# KiCad board EOutside.kicad_pcb (continued)
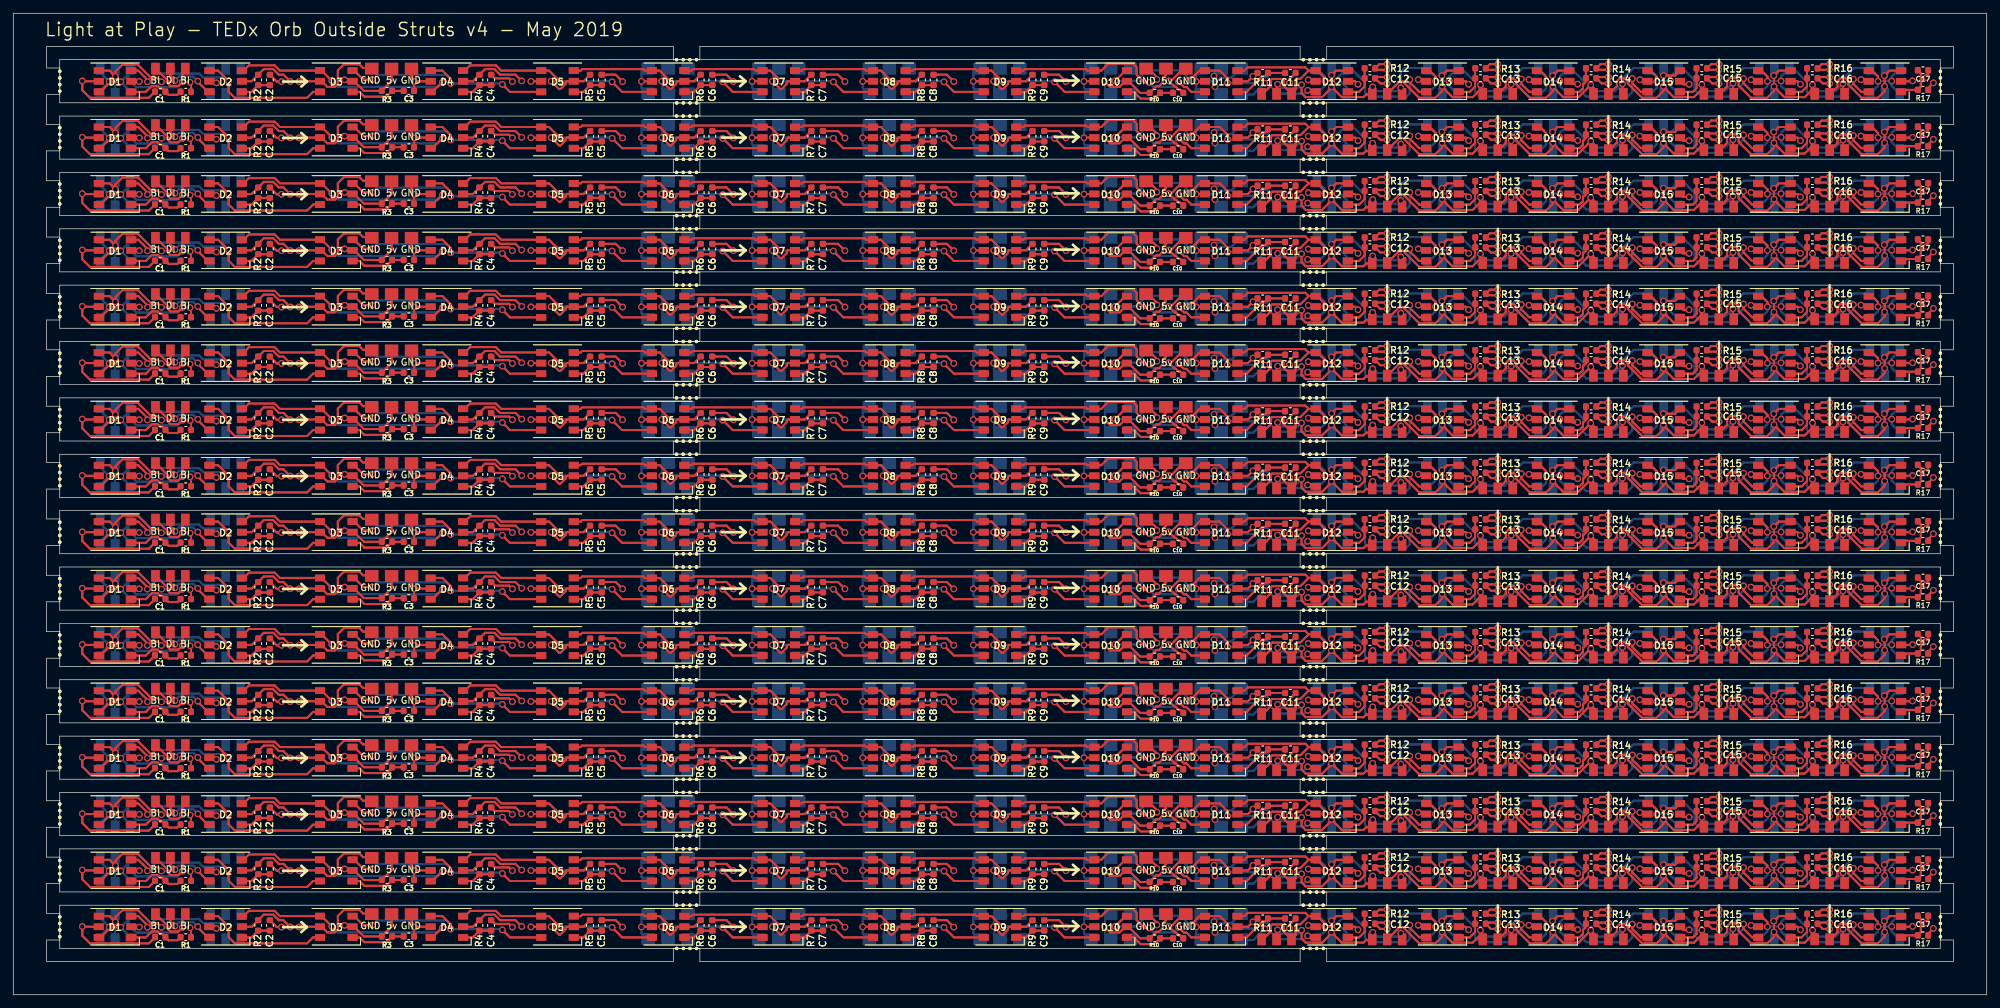
[diagram p0: board, top side]
## Routing (per net, layer and track width the routed paths; a pad name or vN(x,y) marks a point on that pad's centre or on a via; arc(x,y) is an arc through that point) (continued)
Net-(D14-Pad3): length 2343.7
  Top w0.3: 232.67,139.35 D14.3 232.67,139.35 ; 232.67,139.35 232.41,139.09 ; 232.67,139.35 232.41,139.09 ; 232.41,139.09 v1(231.91,138.59) ; 232.41,139.09 v1(231.91,138.59) ; v1(231.91,138.59) 231.91,137.01 ; v1(231.91,138.59) 231.91,137.01 ; 232.67,130.85 D14#2.3 232.67,130.85 ; 232.67,130.85 232.41,130.59 ; 232.67,130.85 232.41,130.59 ; 232.41,130.59 v1(231.91,130.09) ; 232.41,130.59 v1(231.91,130.09) ; v1(231.91,130.09) 231.91,128.51 ; v1(231.91,130.09) 231.91,128.51 ; 246.68,130.85 D15#2.4 246.68,130.85 ; 246.68,130.85 247.62,129.91 ; 246.68,130.85 247.62,129.91 ; 247.62,129.91 v1(247.62,129.2) 247.62,129.91 ; 231.91,128.51 v1(231.96,128.47) ; 231.91,128.51 v1(231.96,128.47) ; v1(231.96,128.47) 231.96,127.76 ; v1(231.96,128.47) 231.96,127.76 ; 233.51,126.85 235.82,126.85 ; 233.51,126.85 231.93,128.42 233.51,126.85 ; 233.51,126.85 235.82,126.85 ; 235.82,126.85 237.18,128.2 ; 235.82,126.85 237.18,128.2 ; 237.18,128.2 v1(237.68,128.7) ; 237.18,128.2 v1(237.68,128.7) ; v1(237.68,128.7) 238.08,128.29 ; v1(237.68,128.7) 238.08,128.29 ; 224.87,128.46 223.67,127.25 224.87,128.46 ; 224.87,128.46 224.87,129.24 ; 224.87,128.46 224.87,129.24 ; 231.96,127.76 230.95,126.75 ; 231.96,127.76 230.95,126.75 ; 225.29,129.65 226.06,129.65 ; 225.29,129.65 224.87,129.24 ; 225.29,129.65 224.87,129.24 ; 225.29,129.65 226.06,129.65 ; 226.06,129.65 226.48,129.24 ; 226.06,129.65 226.48,129.24 ; 226.48,129.24 226.48,128.76 ; 226.48,129.24 226.48,128.76 ; 228.48,126.75 230.95,126.75 ; 228.48,126.75 226.48,128.76 ; 228.48,126.75 226.48,128.76 ; 228.48,126.75 230.95,126.75 ; 242.45,128.17 v1(242.45,128.88) 242.45,128.17 ; 242.45,128.17 242.45,127.38 ; 242.45,128.17 242.45,127.38 ; 242.45,127.38 242.58,127.25 242.45,127.38 ; 238.08,128.29 J11#2.2 238.08,128.29 ; 261.99,127.65 260.69,128.95 ; 261.99,127.65 D16#2.6 261.99,127.65 ; 261.99,127.65 260.69,128.95 ; 260.69,128.95 v1(260.69,129.66) 260.69,128.95 ; 232.67,122.35 D14#3.3 232.67,122.35 ; 232.67,122.35 232.41,122.09 ; 232.67,122.35 232.41,122.09 ; 232.41,122.09 v1(231.91,121.59) ; 232.41,122.09 v1(231.91,121.59) ; v1(231.91,121.59) 231.91,120.01 ; v1(231.91,121.59) 231.91,120.01 ; 246.68,122.35 D15#3.4 246.68,122.35 ; 246.68,122.35 247.62,121.41 ; 246.68,122.35 247.62,121.41 ; 247.62,121.41 v1(247.62,120.7) 247.62,121.41 ; 231.91,120.01 v1(231.96,119.97) ; 231.91,120.01 v1(231.96,119.97) ; v1(231.96,119.97) 231.96,119.26 ; v1(231.96,119.97) 231.96,119.26 ; 233.51,118.35 235.82,118.35 ; 233.51,118.35 231.93,119.92 233.51,118.35 ; 233.51,118.35 235.82,118.35 ; 235.82,118.35 237.18,119.7 ; 235.82,118.35 237.18,119.7 ; 237.18,119.7 v1(237.68,120.2) ; 237.18,119.7 v1(237.68,120.2) ; v1(237.68,120.2) 238.08,119.79 ; v1(237.68,120.2) 238.08,119.79 ; 224.87,119.96 223.67,118.75 224.87,119.96 ; 224.87,119.96 224.87,120.74 ; 224.87,119.96 224.87,120.74 ; 231.96,119.26 230.95,118.25 ; 231.96,119.26 230.95,118.25 ; 225.29,121.15 226.06,121.15 ; 225.29,121.15 224.87,120.74 ; 225.29,121.15 226.06,121.15 ; 225.29,121.15 224.87,120.74 ; 226.06,121.15 226.48,120.74 ; 226.06,121.15 226.48,120.74 ; 226.48,120.74 226.48,120.26 ; 226.48,120.74 226.48,120.26 ; 228.48,118.25 230.95,118.25 ; 228.48,118.25 226.48,120.26 ; 228.48,118.25 230.95,118.25 ; 228.48,118.25 226.48,120.26 ; 242.45,119.67 v1(242.45,120.38) 242.45,119.67 ; 242.45,119.67 242.45,118.88 ; 242.45,119.67 242.45,118.88 ; 242.45,118.88 242.58,118.75 242.45,118.88 ; 238.08,119.79 J11#3.2 238.08,119.79 ; 261.99,119.15 260.69,120.45 ; 261.99,119.15 D16#3.6 261.99,119.15 ; 261.99,119.15 260.69,120.45 ; 260.69,120.45 v1(260.69,121.16) 260.69,120.45 ; 261.99,110.65 260.69,111.95 ; 261.99,110.65 D16#4.6 261.99,110.65 ; 261.99,110.65 260.69,111.95 ; 260.69,111.95 v1(260.69,112.66) 260.69,111.95 ; 238.08,111.29 J11#4.2 238.08,111.29 ; 238.08,111.29 v1(237.68,111.7) ; 238.08,111.29 v1(237.68,111.7) ; v1(231.91,113.09) 231.91,111.51 ; v1(231.91,113.09) 232.41,113.59 ; v1(231.91,113.09) 232.41,113.59 ; v1(231.91,113.09) 231.91,111.51 ; 231.91,111.51 v1(231.96,111.47) ; 231.91,111.51 v1(231.96,111.47) ; 235.82,109.85 237.18,111.2 ; 235.82,109.85 233.51,109.85 ; 235.82,109.85 237.18,111.2 ; 235.82,109.85 233.51,109.85 ; 237.18,111.2 v1(237.68,111.7) ; 237.18,111.2 v1(237.68,111.7) ; 246.68,113.85 247.62,112.91 ; 246.68,113.85 D15#4.4 246.68,113.85 ; 246.68,113.85 247.62,112.91 ; 247.62,112.91 v1(247.62,112.2) 247.62,112.91 ; v1(231.96,111.47) 231.96,110.76 ; v1(231.96,111.47) 231.96,110.76 ; 233.51,109.85 231.93,111.42 233.51,109.85 ; 242.45,110.38 242.58,110.25 242.45,110.38 ; 242.45,110.38 242.45,111.17 ; 242.45,110.38 242.45,111.17 ; 242.45,111.17 v1(242.45,111.88) 242.45,111.17 ; 226.48,112.24 226.48,111.76 ; 226.48,112.24 226.06,112.65 ; 226.48,112.24 226.48,111.76 ; 226.48,112.24 226.06,112.65 ; 226.48,111.76 228.48,109.75 ; 226.48,111.76 228.48,109.75 ; 228.48,109.75 230.95,109.75 ; 228.48,109.75 230.95,109.75 ; 224.87,112.24 225.29,112.65 ; 224.87,112.24 224.87,111.46 ; 224.87,112.24 225.29,112.65 ; 224.87,112.24 224.87,111.46 ; 225.29,112.65 226.06,112.65 ; 225.29,112.65 226.06,112.65 ; 230.95,109.75 231.96,110.76 ; 230.95,109.75 231.96,110.76 ; 224.87,111.46 223.67,110.25 224.87,111.46 ; 232.41,113.59 232.67,113.85 ; 232.41,113.59 232.67,113.85 ; 232.67,113.85 D14#4.3 232.67,113.85 ; 246.68,139.35 D15.4 246.68,139.35 ; 246.68,139.35 247.62,138.41 ; 246.68,139.35 247.62,138.41 ; 247.62,138.41 v1(247.62,137.7) 247.62,138.41 ; 231.91,137.01 v1(231.96,136.97) ; 231.91,137.01 v1(231.96,136.97) ; v1(231.96,136.97) 231.96,136.26 ; v1(231.96,136.97) 231.96,136.26 ; 233.51,135.35 235.82,135.35 ; 233.51,135.35 231.93,136.92 233.51,135.35 ; 233.51,135.35 235.82,135.35 ; 235.82,135.35 237.18,136.7 ; 235.82,135.35 237.18,136.7 ; 237.18,136.7 v1(237.68,137.2) ; 237.18,136.7 v1(237.68,137.2) ; v1(237.68,137.2) 238.08,136.79 ; v1(237.68,137.2) 238.08,136.79 ; 224.87,136.96 223.67,135.75 224.87,136.96 ; 224.87,136.96 224.87,137.74 ; 224.87,136.96 224.87,137.74 ; 231.96,136.26 230.95,135.25 ; 231.96,136.26 230.95,135.25 ; 225.29,138.15 226.06,138.15 ; 225.29,138.15 224.87,137.74 ; 225.29,138.15 224.87,137.74 ; 225.29,138.15 226.06,138.15 ; 226.06,138.15 226.48,137.74 ; 226.06,138.15 226.48,137.74 ; 226.48,137.74 226.48,137.26 ; 226.48,137.74 226.48,137.26 ; 228.48,135.25 230.95,135.25 ; 228.48,135.25 226.48,137.26 ; 228.48,135.25 226.48,137.26 ; 228.48,135.25 230.95,135.25 ; 242.45,136.67 v1(242.45,137.38) 242.45,136.67 ; 242.45,136.67 242.45,135.88 ; 242.45,136.67 242.45,135.88 ; 242.45,135.88 242.58,135.75 242.45,135.88 ; 238.08,136.79 J11.2 238.08,136.79 ; 261.99,136.15 260.69,137.45 ; 261.99,136.15 D16.6 261.99,136.15 ; 261.99,136.15 260.69,137.45 ; 260.69,137.45 v1(260.69,138.16) 260.69,137.45 ; 232.67,105.35 D14#11.3 232.67,105.35 ; 232.67,105.35 232.41,105.09 ; 232.67,105.35 232.41,105.09 ; 232.41,105.09 v1(231.91,104.59) ; 232.41,105.09 v1(231.91,104.59) ; v1(231.91,104.59) 231.91,103.01 ; v1(231.91,104.59) 231.91,103.01 ; 246.68,105.35 D15#12.4 246.68,105.35 ; 246.68,105.35 247.62,104.41 ; 246.68,105.35 247.62,104.41 ; 247.62,104.41 v1(247.62,103.7) 247.62,104.41 ; 231.91,103.01 v1(231.96,102.97) ; 231.91,103.01 v1(231.96,102.97) ; v1(231.96,102.97) 231.96,102.26 ; v1(231.96,102.97) 231.96,102.26 ; 233.51,101.35 235.82,101.35 ; 233.51,101.35 231.93,102.92 233.51,101.35 ; 233.51,101.35 235.82,101.35 ; 235.82,101.35 237.18,102.7 ; 235.82,101.35 237.18,102.7 ; 237.18,102.7 v1(237.68,103.2) ; 237.18,102.7 v1(237.68,103.2) ; v1(237.68,103.2) 238.08,102.79 ; v1(237.68,103.2) 238.08,102.79 ; 224.87,102.96 223.67,101.75 224.87,102.96 ; 224.87,102.96 224.87,103.74 ; 224.87,102.96 224.87,103.74 ; 231.96,102.26 230.95,101.25 ; 231.96,102.26 230.95,101.25 ; 225.29,104.15 226.06,104.15 ; 225.29,104.15 224.87,103.74 ; 225.29,104.15 226.06,104.15 ; 225.29,104.15 224.87,103.74 ; 226.06,104.15 226.48,103.74 ; 226.06,104.15 226.48,103.74 ; 226.48,103.74 226.48,103.26 ; 226.48,103.74 226.48,103.26 ; 228.48,101.25 230.95,101.25 ; 228.48,101.25 226.48,103.26 ; 228.48,101.25 230.95,101.25 ; 228.48,101.25 226.48,103.26 ; 242.45,102.67 v1(242.45,103.38) 242.45,102.67 ; 242.45,102.67 242.45,101.88 ; 242.45,102.67 242.45,101.88 ; 242.45,101.88 242.58,101.75 242.45,101.88 ; 238.08,102.79 J11#11.2 238.08,102.79 ; 261.99,102.15 260.69,103.45 ; 261.99,102.15 D16#11.6 261.99,102.15 ; 261.99,102.15 260.69,103.45 ; 260.69,103.45 v1(260.69,104.16) 260.69,103.45 ; 261.99,93.65 260.69,94.95 ; 261.99,93.65 D16#13.6 261.99,93.65 ; 261.99,93.65 260.69,94.95 ; 260.69,94.95 v1(260.69,95.66) 260.69,94.95 ; 238.08,94.29 J11#13.2 238.08,94.29 ; 238.08,94.29 v1(237.68,94.7) ; 238.08,94.29 v1(237.68,94.7) ; v1(231.91,96.09) 231.91,94.51 ; v1(231.91,96.09) 232.41,96.59 ; v1(231.91,96.09) 232.41,96.59 ; v1(231.91,96.09) 231.91,94.51 ; 231.91,94.51 v1(231.96,94.47) ; 231.91,94.51 v1(231.96,94.47) ; 235.82,92.85 237.18,94.2 ; 235.82,92.85 233.51,92.85 ; 235.82,92.85 233.51,92.85 ; 235.82,92.85 237.18,94.2 ; 237.18,94.2 v1(237.68,94.7) ; 237.18,94.2 v1(237.68,94.7) ; 246.68,96.85 247.62,95.91 ; 246.68,96.85 D15#14.4 246.68,96.85 ; 246.68,96.85 247.62,95.91 ; 247.62,95.91 v1(247.62,95.2) 247.62,95.91 ; v1(231.96,94.47) 231.96,93.76 ; v1(231.96,94.47) 231.96,93.76 ; 233.51,92.85 231.93,94.42 233.51,92.85 ; 242.45,93.38 242.58,93.25 242.45,93.38 ; 242.45,93.38 242.45,94.17 ; 242.45,93.38 242.45,94.17 ; 242.45,94.17 v1(242.45,94.88) 242.45,94.17 ; 226.48,95.24 226.48,94.76 ; 226.48,95.24 226.06,95.65 ; 226.48,95.24 226.48,94.76 ; 226.48,95.24 226.06,95.65 ; 226.48,94.76 228.48,92.75 ; 226.48,94.76 228.48,92.75 ; 228.48,92.75 230.95,92.75 ; 228.48,92.75 230.95,92.75 ; 224.87,95.24 225.29,95.65 ; 224.87,95.24 224.87,94.46 ; 224.87,95.24 225.29,95.65 ; 224.87,95.24 224.87,94.46 ; 225.29,95.65 226.06,95.65 ; 225.29,95.65 226.06,95.65 ; 230.95,92.75 231.96,93.76 ; 230.95,92.75 231.96,93.76 ; 224.87,94.46 223.67,93.25 224.87,94.46 ; 232.41,96.59 232.67,96.85 ; 232.41,96.59 232.67,96.85 ; 232.67,96.85 D14#14.3 232.67,96.85 ; 246.68,79.85 D15#11.4 246.68,79.85 ; 246.68,79.85 247.62,78.91 ; 246.68,79.85 247.62,78.91 ; 232.67,79.85 232.41,79.59 ; 232.67,79.85 D14#10.3 232.67,79.85 ; 232.67,79.85 232.41,79.59 ; 232.41,79.59 v1(231.91,79.09) ; 232.41,79.59 v1(231.91,79.09) ; v1(231.91,79.09) 231.91,77.51 ; v1(231.91,79.09) 231.91,77.51 ; 238.08,77.29 J11#10.2 238.08,77.29 ; 238.08,77.29 v1(237.68,77.7) ; 238.08,77.29 v1(237.68,77.7) ; 231.91,77.51 v1(231.96,77.47) ; 231.91,77.51 v1(231.96,77.47) ; 235.82,75.85 237.18,77.2 ; 235.82,75.85 233.51,75.85 ; 235.82,75.85 237.18,77.2 ; 235.82,75.85 233.51,75.85 ; 237.18,77.2 v1(237.68,77.7) ; 237.18,77.2 v1(237.68,77.7) ; 261.99,76.65 D16#10.6 261.99,76.65 ; 261.99,76.65 260.69,77.95 ; 261.99,76.65 260.69,77.95 ; 247.62,78.91 v1(247.62,78.2) 247.62,78.91 ; v1(231.96,77.47) 231.96,76.76 ; v1(231.96,77.47) 231.96,76.76 ; 233.51,75.85 231.93,77.42 233.51,75.85 ; 242.45,76.38 242.58,76.25 242.45,76.38 ; 242.45,76.38 242.45,77.17 ; 242.45,76.38 242.45,77.17 ; 242.45,77.17 v1(242.45,77.88) 242.45,77.17 ; 226.48,78.24 226.48,77.76 ; 226.48,78.24 226.06,78.65 ; 226.48,78.24 226.48,77.76 ; 226.48,78.24 226.06,78.65 ; 226.48,77.76 228.48,75.75 ; 226.48,77.76 228.48,75.75 ; 228.48,75.75 230.95,75.75 ; 228.48,75.75 230.95,75.75 ; 224.87,78.24 225.29,78.65 ; 224.87,78.24 224.87,77.46 ; 224.87,78.24 225.29,78.65 ; 224.87,78.24 224.87,77.46 ; 225.29,78.65 226.06,78.65 ; 225.29,78.65 226.06,78.65 ; 230.95,75.75 231.96,76.76 ; 230.95,75.75 231.96,76.76 ; 224.87,77.46 223.67,76.25 224.87,77.46 ; 260.69,77.95 v1(260.69,78.66) 260.69,77.95 ; 232.67,88.35 D14#9.3 232.67,88.35 ; 232.67,88.35 232.41,88.09 ; 232.67,88.35 232.41,88.09 ; 232.41,88.09 v1(231.91,87.59) ; 232.41,88.09 v1(231.91,87.59) ; v1(231.91,87.59) 231.91,86.01 ; v1(231.91,87.59) 231.91,86.01 ; 246.68,88.35 D15#9.4 246.68,88.35 ; 246.68,88.35 247.62,87.41 ; 246.68,88.35 247.62,87.41 ; 247.62,87.41 v1(247.62,86.7) 247.62,87.41 ; 231.91,86.01 v1(231.96,85.97) ; 231.91,86.01 v1(231.96,85.97) ; v1(231.96,85.97) 231.96,85.26 ; v1(231.96,85.97) 231.96,85.26 ; 233.51,84.35 235.82,84.35 ; 233.51,84.35 231.93,85.92 233.51,84.35 ; 233.51,84.35 235.82,84.35 ; 235.82,84.35 237.18,85.7 ; 235.82,84.35 237.18,85.7 ; 237.18,85.7 v1(237.68,86.2) ; 237.18,85.7 v1(237.68,86.2) ; v1(237.68,86.2) 238.08,85.79 ; v1(237.68,86.2) 238.08,85.79 ; 224.87,85.96 223.67,84.75 224.87,85.96 ; 224.87,85.96 224.87,86.74 ; 224.87,85.96 224.87,86.74 ; 231.96,85.26 230.95,84.25 ; 231.96,85.26 230.95,84.25 ; 225.29,87.15 226.06,87.15 ; 225.29,87.15 224.87,86.74 ; 225.29,87.15 226.06,87.15 ; 225.29,87.15 224.87,86.74 ; 226.06,87.15 226.48,86.74 ; 226.06,87.15 226.48,86.74 ; 226.48,86.74 226.48,86.26 ; 226.48,86.74 226.48,86.26 ; 228.48,84.25 230.95,84.25 ; 228.48,84.25 226.48,86.26 ; 228.48,84.25 230.95,84.25 ; 228.48,84.25 226.48,86.26 ; 242.45,85.67 v1(242.45,86.38) 242.45,85.67 ; 242.45,85.67 242.45,84.88 ; 242.45,85.67 242.45,84.88 ; 242.45,84.88 242.58,84.75 242.45,84.88 ; 238.08,85.79 J11#9.2 238.08,85.79 ; 261.99,85.15 260.69,86.45 ; 261.99,85.15 D16#9.6 261.99,85.15 ; 261.99,85.15 260.69,86.45 ; 260.69,86.45 v1(260.69,87.16) 260.69,86.45 ; 224.87,51.96 223.67,50.75 224.87,51.96 ; 224.87,51.96 224.87,52.74 ; 224.87,51.96 224.87,52.74 ; 231.96,51.26 v1(231.96,51.97) ; 231.96,51.26 230.95,50.25 ; 231.96,51.26 v1(231.96,51.97) ; 231.96,51.26 230.95,50.25 ; v1(231.96,51.97) 231.91,52.01 ; v1(231.96,51.97) 231.91,52.01 ; 225.29,53.15 226.06,53.15 ; 225.29,53.15 224.87,52.74 ; 225.29,53.15 226.06,53.15 ; 225.29,53.15 224.87,52.74 ; 226.06,53.15 226.48,52.74 ; 226.06,53.15 226.48,52.74 ; 226.48,52.74 226.48,52.26 ; 226.48,52.74 226.48,52.26 ; 228.48,50.25 230.95,50.25 ; 228.48,50.25 226.48,52.26 ; 228.48,50.25 230.95,50.25 ; 228.48,50.25 226.48,52.26 ; 242.45,51.67 v1(242.45,52.38) 242.45,51.67 ; 242.45,51.67 242.45,50.88 ; 242.45,51.67 242.45,50.88 ; 242.45,50.88 242.58,50.75 242.45,50.88 ; 238.08,51.79 v1(237.68,52.2) ; 238.08,51.79 J11#18.2 238.08,51.79 ; 238.08,51.79 v1(237.68,52.2) ; v1(237.68,52.2) 237.18,51.7 ; v1(237.68,52.2) 237.18,51.7 ; 261.99,51.15 260.69,52.45 ; 261.99,51.15 D16#20.6 261.99,51.15 ; 261.99,51.15 260.69,52.45 ; 260.69,52.45 v1(260.69,53.16) 260.69,52.45 ; 235.82,50.35 237.18,51.7 ; 235.82,50.35 233.51,50.35 ; 235.82,50.35 233.51,50.35 ; 235.82,50.35 237.18,51.7 ; 233.51,50.35 231.93,51.92 233.51,50.35 ; 231.91,52.01 v1(231.91,53.59) ; 231.91,52.01 v1(231.91,53.59) ; v1(231.91,53.59) 232.41,54.09 ; v1(231.91,53.59) 232.41,54.09 ; 247.62,53.41 v1(247.62,52.7) 247.62,53.41 ; 247.62,53.41 246.68,54.35 ; 247.62,53.41 246.68,54.35 ; 246.68,54.35 D15#17.4 246.68,54.35 ; 232.67,54.35 232.41,54.09 ; 232.67,54.35 D14#18.3 232.67,54.35 ; 232.67,54.35 232.41,54.09 ; v1(231.91,70.59) 231.91,69.01 ; v1(231.91,70.59) 232.41,71.09 ; v1(231.91,70.59) 232.41,71.09 ; v1(231.91,70.59) 231.91,69.01 ; 231.91,69.01 v1(231.96,68.97) ; 231.91,69.01 v1(231.96,68.97) ; v1(231.96,68.97) 231.96,68.26 ; v1(231.96,68.97) 231.96,68.26 ; 233.51,67.35 235.82,67.35 ; 233.51,67.35 231.93,68.92 233.51,67.35 ; 233.51,67.35 235.82,67.35 ; 235.82,67.35 237.18,68.7 ; 235.82,67.35 237.18,68.7 ; 237.18,68.7 v1(237.68,69.2) ; 237.18,68.7 v1(237.68,69.2) ; v1(237.68,69.2) 238.08,68.79 ; v1(237.68,69.2) 238.08,68.79 ; 224.87,68.96 223.67,67.75 224.87,68.96 ; 224.87,68.96 224.87,69.74 ; 224.87,68.96 224.87,69.74 ; 231.96,68.26 230.95,67.25 ; 231.96,68.26 230.95,67.25 ; 225.29,70.15 226.06,70.15 ; 225.29,70.15 224.87,69.74 ; 225.29,70.15 226.06,70.15 ; 225.29,70.15 224.87,69.74 ; 226.06,70.15 226.48,69.74 ; 226.06,70.15 226.48,69.74 ; 226.48,69.74 226.48,69.26 ; 226.48,69.74 226.48,69.26 ; 228.48,67.25 230.95,67.25 ; 228.48,67.25 226.48,69.26 ; 228.48,67.25 230.95,67.25 ; 228.48,67.25 226.48,69.26 ; 242.45,68.67 v1(242.45,69.38) 242.45,68.67 ; 242.45,68.67 242.45,67.88 ; 242.45,68.67 242.45,67.88 ; 242.45,67.88 242.58,67.75 242.45,67.88 ; 238.08,68.79 J11#21.2 238.08,68.79 ; 261.99,68.15 260.69,69.45 ; 261.99,68.15 D16#21.6 261.99,68.15 ; 261.99,68.15 260.69,69.45 ; 260.69,69.45 v1(260.69,70.16) 260.69,69.45 ; 232.67,71.35 D14#22.3 232.67,71.35 ; 232.67,71.35 232.41,71.09 ; 232.67,71.35 232.41,71.09 ; 246.68,71.35 D15#19.4 246.68,71.35 ; 246.68,71.35 247.62,70.41 ; 246.68,71.35 247.62,70.41 ; 247.62,70.41 v1(247.62,69.7) 247.62,70.41 ; 261.99,59.65 260.69,60.95 ; 261.99,59.65 D16#17.6 261.99,59.65 ; 261.99,59.65 260.69,60.95 ; 260.69,60.95 v1(260.69,61.66) 260.69,60.95 ; 238.08,60.29 J11#17.2 238.08,60.29 ; 238.08,60.29 v1(237.68,60.7) ; 238.08,60.29 v1(237.68,60.7) ; v1(231.91,62.09) 231.91,60.51 ; v1(231.91,62.09) 232.41,62.59 ; v1(231.91,62.09) 232.41,62.59 ; v1(231.91,62.09) 231.91,60.51 ; 231.91,60.51 v1(231.96,60.47) ; 231.91,60.51 v1(231.96,60.47) ; 235.82,58.85 237.18,60.2 ; 235.82,58.85 233.51,58.85 ; 235.82,58.85 233.51,58.85 ; 235.82,58.85 237.18,60.2 ; 237.18,60.2 v1(237.68,60.7) ; 237.18,60.2 v1(237.68,60.7) ; 246.68,62.85 247.62,61.91 ; 246.68,62.85 D15#20.4 246.68,62.85 ; 246.68,62.85 247.62,61.91 ; 247.62,61.91 v1(247.62,61.2) 247.62,61.91 ; v1(231.96,60.47) 231.96,59.76 ; v1(231.96,60.47) 231.96,59.76 ; 233.51,58.85 231.93,60.42 233.51,58.85 ; 242.45,59.38 242.58,59.25 242.45,59.38 ; 242.45,59.38 242.45,60.17 ; 242.45,59.38 242.45,60.17 ; 242.45,60.17 v1(242.45,60.88) 242.45,60.17 ; 226.48,61.24 226.48,60.76 ; 226.48,61.24 226.06,61.65 ; 226.48,61.24 226.48,60.76 ; 226.48,61.24 226.06,61.65 ; 226.48,60.76 228.48,58.75 ; 226.48,60.76 228.48,58.75 ; 228.48,58.75 230.95,58.75 ; 228.48,58.75 230.95,58.75 ; 224.87,61.24 225.29,61.65 ; 224.87,61.24 224.87,60.46 ; 224.87,61.24 225.29,61.65 ; 224.87,61.24 224.87,60.46 ; 225.29,61.65 226.06,61.65 ; 225.29,61.65 226.06,61.65 ; 230.95,58.75 231.96,59.76 ; 230.95,58.75 231.96,59.76 ; 224.87,60.46 223.67,59.25 224.87,60.46 ; 232.41,62.59 232.67,62.85 ; 232.41,62.59 232.67,62.85 ; 232.67,62.85 D14#17.3 232.67,62.85 ; 261.99,42.65 260.69,43.95 ; 261.99,42.65 D16#18.6 261.99,42.65 ; 261.99,42.65 260.69,43.95 ; 260.69,43.95 v1(260.69,44.66) 260.69,43.95 ; 242.45,42.38 242.45,43.17 ; 242.45,42.38 242.58,42.25 242.45,42.38 ; 242.45,42.38 242.45,43.17 ; 242.45,43.17 v1(242.45,43.88) 242.45,43.17 ; 226.48,44.24 226.48,43.76 ; 226.48,44.24 226.06,44.65 ; 226.48,44.24 226.48,43.76 ; 226.48,44.24 226.06,44.65 ; 226.48,43.76 228.48,41.75 ; 226.48,43.76 228.48,41.75 ; 228.48,41.75 230.95,41.75 ; 228.48,41.75 230.95,41.75 ; 224.87,44.24 225.29,44.65 ; 224.87,44.24 224.87,43.46 ; 224.87,44.24 225.29,44.65 ; 224.87,44.24 224.87,43.46 ; 225.29,44.65 226.06,44.65 ; 225.29,44.65 226.06,44.65 ; 230.95,41.75 231.96,42.76 ; 230.95,41.75 231.96,42.76 ; 231.96,42.76 v1(231.96,43.47) ; 231.96,42.76 v1(231.96,43.47) ; 224.87,43.46 223.67,42.25 224.87,43.46 ; v1(231.96,43.47) 231.91,43.51 ; v1(231.96,43.47) 231.91,43.51 ; 237.18,43.2 v1(237.68,43.7) ; 237.18,43.2 235.82,41.85 ; 237.18,43.2 235.82,41.85 ; 237.18,43.2 v1(237.68,43.7) ; v1(237.68,43.7) 238.08,43.29 ; v1(237.68,43.7) 238.08,43.29 ; 233.51,41.85 231.93,43.42 233.51,41.85 ; 233.51,41.85 235.82,41.85 ; 233.51,41.85 235.82,41.85 ; 232.41,45.59 v1(231.91,45.09) ; 232.41,45.59 v1(231.91,45.09) ; 232.41,45.59 232.67,45.85 ; 232.41,45.59 232.67,45.85 ; v1(231.91,45.09) 231.91,43.51 ; v1(231.91,45.09) 231.91,43.51 ; 238.08,43.29 J11#22.2 238.08,43.29 ; 246.68,45.85 247.62,44.91 ; 246.68,45.85 247.62,44.91 ; 246.68,45.85 D15#18.4 246.68,45.85 ; 247.62,44.91 v1(247.62,44.2) 247.62,44.91 ; 232.67,45.85 D14#19.3 232.67,45.85 ; 232.67,37.35 D14#30.3 232.67,37.35 ; 232.67,37.35 232.41,37.09 ; 232.67,37.35 232.41,37.09 ; 232.41,37.09 v1(231.91,36.59) ; 232.41,37.09 v1(231.91,36.59) ; v1(231.91,36.59) 231.91,35.01 ; v1(231.91,36.59) 231.91,35.01 ; 246.68,37.35 D15#29.4 246.68,37.35 ; 246.68,37.35 247.62,36.41 ; 246.68,37.35 247.62,36.41 ; 247.62,36.41 v1(247.62,35.7) 247.62,36.41 ; 231.91,35.01 v1(231.96,34.97) ; 231.91,35.01 v1(231.96,34.97) ; 235.82,33.35 237.18,34.7 ; 235.82,33.35 233.51,33.35 ; 235.82,33.35 233.51,33.35 ; 235.82,33.35 237.18,34.7 ; 237.18,34.7 v1(237.68,35.2) ; 237.18,34.7 v1(237.68,35.2) ; 233.51,33.35 231.93,34.92 233.51,33.35 ; v1(237.68,35.2) 238.08,34.79 ; v1(237.68,35.2) 238.08,34.79 ; 224.87,34.96 223.67,33.75 224.87,34.96 ; 224.87,34.96 224.87,35.74 ; 224.87,34.96 224.87,35.74 ; 231.96,34.26 v1(231.96,34.97) ; 231.96,34.26 230.95,33.25 ; 231.96,34.26 v1(231.96,34.97) ; 231.96,34.26 230.95,33.25 ; 225.29,36.15 226.06,36.15 ; 225.29,36.15 224.87,35.74 ; 225.29,36.15 226.06,36.15 ; 225.29,36.15 224.87,35.74 ; 226.06,36.15 226.48,35.74 ; 226.06,36.15 226.48,35.74 ; 226.48,35.74 226.48,35.26 ; 226.48,35.74 226.48,35.26 ; 228.48,33.25 230.95,33.25 ; 228.48,33.25 226.48,35.26 ; 228.48,33.25 230.95,33.25 ; 228.48,33.25 226.48,35.26 ; 242.45,34.67 v1(242.45,35.38) 242.45,34.67 ; 242.45,34.67 242.45,33.88 ; 242.45,34.67 242.45,33.88 ; 242.45,33.88 242.58,33.75 242.45,33.88 ; 238.08,34.79 J11#30.2 238.08,34.79 ; 261.99,34.15 260.69,35.45 ; 261.99,34.15 D16#27.6 261.99,34.15 ; 261.99,34.15 260.69,35.45 ; 260.69,35.45 v1(260.69,36.16) 260.69,35.45 ; 232.41,11.59 v1(231.91,11.09) ; 232.41,11.59 232.67,11.85 ; 232.41,11.59 232.67,11.85 ; 232.41,11.59 v1(231.91,11.09) ; v1(231.91,11.09) 231.91,9.51 ; v1(231.91,11.09) 231.91,9.51 ; 238.08,9.29 J11#25.2 238.08,9.29 ; 238.08,9.29 v1(237.68,9.7) ; 238.08,9.29 v1(237.68,9.7) ; 231.91,9.51 v1(231.96,9.47) ; 231.91,9.51 v1(231.96,9.47) ; 235.82,7.85 237.18,9.2 ; 235.82,7.85 233.51,7.85 ; 235.82,7.85 237.18,9.2 ; 235.82,7.85 233.51,7.85 ; 237.18,9.2 v1(237.68,9.7) ; 237.18,9.2 v1(237.68,9.7) ; 261.99,8.65 D16#26.6 261.99,8.65 ; 261.99,8.65 260.69,9.95 ; 261.99,8.65 260.69,9.95 ; 246.68,11.85 247.62,10.91 ; 246.68,11.85 D15#26.4 246.68,11.85 ; 246.68,11.85 247.62,10.91 ; 247.62,10.91 v1(247.62,10.2) 247.62,10.91 ; v1(231.96,9.47) 231.96,8.76 ; v1(231.96,9.47) 231.96,8.76 ; 233.51,7.85 231.93,9.42 233.51,7.85 ; 242.45,8.38 242.58,8.25 242.45,8.38 ; 242.45,8.38 242.45,9.17 ; 242.45,8.38 242.45,9.17 ; 242.45,9.17 v1(242.45,9.88) 242.45,9.17 ; 232.67,20.35 232.41,20.09 ; 232.67,20.35 D14#26.3 232.67,20.35 ; 232.67,20.35 232.41,20.09 ; 232.41,20.09 v1(231.91,19.59) ; 232.41,20.09 v1(231.91,19.59) ; v1(231.91,19.59) 231.91,18.01 ; v1(231.91,19.59) 231.91,18.01 ; 261.99,17.15 D16#28.6 261.99,17.15 ; 261.99,17.15 260.69,18.45 ; 261.99,17.15 260.69,18.45 ; 260.69,18.45 v1(260.69,19.16) 260.69,18.45 ; 238.08,17.79 J11#27.2 238.08,17.79 ; 238.08,17.79 v1(237.68,18.2) ; 238.08,17.79 v1(237.68,18.2) ; v1(237.68,18.2) 237.18,17.7 ; v1(237.68,18.2) 237.18,17.7 ; 242.45,16.88 242.58,16.75 242.45,16.88 ; 242.45,16.88 242.45,17.67 ; 242.45,16.88 242.45,17.67 ; 224.87,17.96 223.67,16.75 224.87,17.96 ; 224.87,17.96 224.87,18.74 ; 224.87,17.96 224.87,18.74 ; 225.29,19.15 226.06,19.15 ; 225.29,19.15 224.87,18.74 ; 225.29,19.15 226.06,19.15 ; 225.29,19.15 224.87,18.74 ; 226.06,19.15 226.48,18.74 ; 226.06,19.15 226.48,18.74 ; 226.48,18.74 226.48,18.26 ; 226.48,18.74 226.48,18.26 ; 228.48,16.25 230.95,16.25 ; 228.48,16.25 226.48,18.26 ; 228.48,16.25 230.95,16.25 ; 228.48,16.25 226.48,18.26 ; 230.95,16.25 231.96,17.26 ; 230.95,16.25 231.96,17.26 ; 231.96,17.26 v1(231.96,17.97) ; 231.96,17.26 v1(231.96,17.97) ; v1(231.96,17.97) 231.91,18.01 ; v1(231.96,17.97) 231.91,18.01 ; 242.45,17.67 v1(242.45,18.38) 242.45,17.67 ; 233.51,16.35 235.82,16.35 ; 233.51,16.35 231.93,17.92 233.51,16.35 ; 233.51,16.35 235.82,16.35 ; 235.82,16.35 237.18,17.7 ; 235.82,16.35 237.18,17.7 ; 247.62,19.41 v1(247.62,18.7) 247.62,19.41 ; 247.62,19.41 246.68,20.35 ; 247.62,19.41 246.68,20.35 ; 246.68,20.35 D15#28.4 246.68,20.35 ; 232.67,11.85 D14#29.3 232.67,11.85 ; 230.95,7.75 231.96,8.76 ; 230.95,7.75 228.48,7.75 ; 230.95,7.75 231.96,8.76 ; 230.95,7.75 228.48,7.75 ; 228.48,7.75 226.48,9.76 ; 228.48,7.75 226.48,9.76 ; 224.87,9.46 223.67,8.25 224.87,9.46 ; 224.87,9.46 224.87,10.24 ; 224.87,9.46 224.87,10.24 ; 224.87,10.24 225.29,10.65 ; 224.87,10.24 225.29,10.65 ; 226.48,9.76 226.48,10.24 ; 226.48,9.76 226.48,10.24 ; 225.29,10.65 226.06,10.65 ; 225.29,10.65 226.06,10.65 ; 226.06,10.65 226.48,10.24 ; 226.06,10.65 226.48,10.24 ; 260.69,9.95 v1(260.69,10.66) 260.69,9.95 ; 261.99,25.65 260.69,26.95 ; 261.99,25.65 D16#25.6 261.99,25.65 ; 261.99,25.65 260.69,26.95 ; 260.69,26.95 v1(260.69,27.66) 260.69,26.95 ; 238.08,26.29 J11#26.2 238.08,26.29 ; 238.08,26.29 v1(237.68,26.7) ; 238.08,26.29 v1(237.68,26.7) ; v1(231.91,28.09) 231.91,26.51 ; v1(231.91,28.09) 232.41,28.59 ; v1(231.91,28.09) 232.41,28.59 ; v1(231.91,28.09) 231.91,26.51 ; 231.91,26.51 v1(231.96,26.47) ; 231.91,26.51 v1(231.96,26.47) ; 235.82,24.85 237.18,26.2 ; 235.82,24.85 233.51,24.85 ; 235.82,24.85 237.18,26.2 ; 235.82,24.85 233.51,24.85 ; 237.18,26.2 v1(237.68,26.7) ; 237.18,26.2 v1(237.68,26.7) ; 246.68,28.85 247.62,27.91 ; 246.68,28.85 D15#25.4 246.68,28.85 ; 246.68,28.85 247.62,27.91 ; 247.62,27.91 v1(247.62,27.2) 247.62,27.91 ; 242.45,25.38 242.45,26.17 ; 242.45,25.38 242.58,25.25 242.45,25.38 ; 242.45,25.38 242.45,26.17 ; 242.45,26.17 v1(242.45,26.88) 242.45,26.17 ; 226.48,27.24 226.48,26.76 ; 226.48,27.24 226.06,27.65 ; 226.48,27.24 226.48,26.76 ; 226.48,27.24 226.06,27.65 ; 226.48,26.76 228.48,24.75 ; 226.48,26.76 228.48,24.75 ; 228.48,24.75 230.95,24.75 ; 228.48,24.75 230.95,24.75 ; 224.87,27.24 225.29,27.65 ; 224.87,27.24 224.87,26.46 ; 224.87,27.24 225.29,27.65 ; 224.87,27.24 224.87,26.46 ; 225.29,27.65 226.06,27.65 ; 225.29,27.65 226.06,27.65 ; 230.95,24.75 231.96,25.76 ; 230.95,24.75 231.96,25.76 ; 231.96,25.76 v1(231.96,26.47) ; 231.96,25.76 v1(231.96,26.47) ; 224.87,26.46 223.67,25.25 224.87,26.46 ; 233.51,24.85 231.93,26.42 233.51,24.85 ; 232.41,28.59 232.67,28.85 ; 232.41,28.59 232.67,28.85 ; 232.67,28.85 D14#25.3 232.67,28.85 ; 246.47,139.35 246.47,139.26 246.47,139.35 ; 246.47,130.85 246.47,130.76 246.47,130.85 ; 246.47,122.35 246.47,122.26 246.47,122.35 ; 246.47,113.85 246.47,113.76 246.47,113.85 ; 246.47,105.35 246.47,105.26 246.47,105.35 ; 246.47,96.85 246.47,96.76 246.47,96.85 ; 246.47,79.85 246.47,79.76 246.47,79.85 ; 246.47,88.35 246.47,88.26 246.47,88.35 ; 246.47,71.35 246.47,71.26 246.47,71.35 ; 246.47,62.85 246.47,62.76 246.47,62.85 ; 246.47,45.85 246.47,45.76 246.47,45.85 ; 246.47,54.35 246.47,54.26 246.47,54.35 ; 246.47,37.35 246.47,37.26 246.47,37.35 ; 246.47,11.85 246.47,11.76 246.47,11.85 ; 246.47,20.35 246.47,20.26 246.47,20.35 ; 246.47,28.85 246.47,28.76 246.47,28.85